# Altium PCB STM32F407Z_pcb.PcbDoc (part 2 of 2)
Units mil, origin at the board's own origin, x right, y up, seen from the top; angles counter-clockwise.
Board outline 1975.03 x 1974.98 mil, 4 copper layers (TOP, ART02, ART03, BOT), stack 23.756 mil thick; 43 components, 90 nets, 1274 pads, 259 vias.
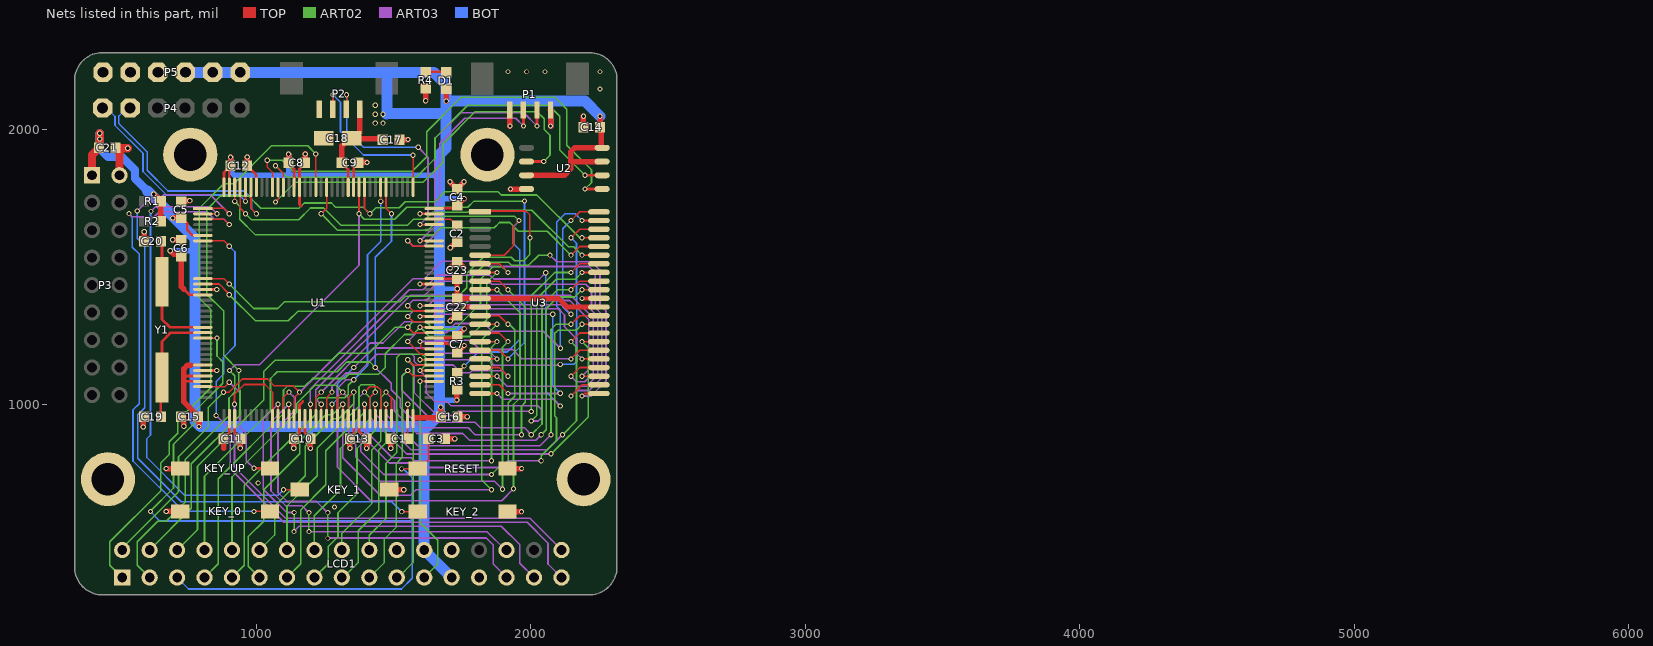
[diagram p4: the nets of this part, all layers, seen from the top]

## Via types
v1: diameter 19, hole 12, TOP to BOT, tented both sides, 235 vias
v2: diameter 18, hole 12, TOP to BOT, tented both sides, 23 vias
v3: diameter 19.02, hole 12, TOP to BOT, tented both sides, 1 vias

## Nets (pads, with @x,y where several pads share a name; then routed paths per layer and width w, separated by ;. In a path a pad name is that pad's centre, name@x,y a point inside that pad or via, vN(x,y) a via of type N, cw(c..) or ccw(c..) an arc to the next point about the centre after c; other vN are vias at no path point) (continued)
FSMC_A4: U1.14 U3.1 | length 1691.3
  TOP w6: U1.14@805.74,1458.58 882.51,1458.58 v1(902.2,1438.9) ; U3.1@1815.31,1701.65 1818.65,1705 1982,1705 1997,1690 v1(1997,1607.17)
  ART02 w6: v1(902.2,1438.9) 991.09,1350 1079,1350 1104,1375 1525.23,1375 1545.23,1395 1737,1395 1767,1425 1767,1476.93 1827.03,1536.97 1929,1536.97 1941.97,1524 1974,1524 1997,1547 v1(1997,1607.17)
FSMC_A5: U1.15 U3.23 | length 2264.7
  TOP w6: U1.15@805.74,1438.9 865.28,1438.9 902.2,1401.98 v1(902.2,1400) ; v1(2186.69,1031.24) 2195.69,1040.24 U3.23@2248.38,1040.24
  ART03 w6: v1(2070,1544.17) 2094.17,1520 2222,1520 2252.4,1489.6 2252.4,1362.6 2274,1341 2274,1086 2219.24,1031.24 v1(2186.69,1031.24)
  ART02 w6: v1(902.2,1400) 997.2,1305 1117,1305 1152.29,1340.29 1735.29,1340.29 1787,1392 1787,1464.9 1840.1,1518 1919.14,1518 1930.14,1507 1992,1507 2029.17,1544.17 v1(2070,1544.17)
FSMC_A6: LCD1.2 U1.50 U3.24 | length 3091.2
  TOP w6: v1(881,1045) 901,1045 949,1093 1041,1093 1065,1069 1134.3,1069 v1(1158.1,1045.2) 1138.42,1025.51 U1.50@1138.42,948.74 ; v1(2146.69,1031.24) 2147.5,1031.24 2188,1071.73 U3.24@2248.38,1071.73
  ART03 w6: v1(1158.1,1045.2) 1571.67,1458.77 1612.77,1458.77 1676,1522 1831,1522 1850,1503 2212,1503 2235.5,1479.5 2235.5,1352.5 2258,1330 2258,1096 2213.24,1051.24 2166.69,1051.24 v1(2146.69,1031.24)
  ART02 w6: LCD1.2@512,470 512,477.58 717,682.58 717,810 825,918 825,989 v1(881,1045)
FSMC_A7: U1.53 U3.22 | length 1971.8
  TOP w6: U1.53@1197.47,948.74 v1@1197.47,1000 ; v1@1197.47,1007.19 v1@1197.47,1007.5 ; U3.22@1815.31,1040.24 v1(1877,1040.24)
  ART03 w6: v1@1197.47,1000 1197.47,1057.47 1558,1418 1607.84,1418 1661.84,1472 1851,1472 1866,1457 2032,1457 v1(2055,1480) ; v1(1877,1040.24) 1898.24,1019 2083.59,1019 v1(2107.59,995)
  BOT w6: v1(2055,1480) 2055,1047.59 v1(2107.59,995)
  other v1: 1197.47,1001
FSMC_A8: U1.54 U3.21 | length 1670.1
  TOP w6: U1.54@1217.16,948.74 1217.16,1025.51 v1(1236.84,1045.2) ; U3.21@1815.31,1071.73 1885.5,1071.73 v1(1917,1040.24)
  ART03 w6: v1(1236.84,1045.2) 1415.82,1224.18 1462.18,1224.18 1538.92,1300.92 1647.92,1300.92 1676,1329 2074,1329 v1@2079.13,1323.87 ; v1(1917,1040.24) v1@2105.35,1040.24
  BOT w6: v1@2080,1330 v1(2080,1329) 2080,1068.59 v1(2107.59,1041)
FSMC_A9: U1.55 U3.20 | length 2073.7
  TOP w6: U1.55@1236.84,948.74 v1@1236.84,1000 ; v1@1236.84,1007.19 v1@1236.84,1007.5 ; U3.20@1815.31,1103.23 v1(1877,1103.23)
  ART03 w6: v1@1236.84,1000 1217.34,1019.5 1217.34,1053.54 1560.8,1397 1613,1397 1665,1449 1846.69,1449 1857.5,1438.19 2200.81,1438.19 2221,1418 2221,1343 2244,1320 2244,1108 2203,1067 1913.23,1067 v1(1877,1103.23)
  other v1: 1236.84,1001
FSMC_A10: U1.56 U3.19 | length 978.3
  TOP w6: U1.56@1256.53,948.74 1256.53,1025.51 v1(1276.21,1045.2) ; U3.19@1815.31,1134.72 1885.5,1134.72 v1(1917,1103.23)
  ART03 w6: v1(1276.21,1045.2) 1276.21,1064.77 1326.14,1114.7 1370.7,1114.7 1438.81,1182.81 1568.19,1182.81 1576,1175 1576,1156.73 1588.92,1143.81 1717.19,1143.81 1745,1116 1779,1116 1786.23,1123.23 1897,1123.23 v1(1917,1103.23)
FSMC_A11: U1.57 U3.18 | length 848.6
  TOP w6: U1.57@1276.21,948.74 v1@1276.21,1000 ; v1@1276.21,1007.19 v1@1276.21,1007.5 ; U3.18@1815.31,1166.22 v1(1877,1166.22)
  ART03 w6: v1(1355,1134.7) 1426.3,1206 1642,1206 1661.78,1186.22 1857,1186.22 v1(1877,1166.22)
  BOT w6: v1@1276.21,1000 1296.08,1019.87 1296.08,1075.78 v1(1355,1134.7)
  other v1: 1276.21,1001
FSMC_A12: U1.87 U3.44 | length 1215.7
  TOP w6: v1(1551.8,1320.79) 1571.49,1301.1 U1.87@1648.26,1301.1 ; v1(2146.69,1670.16) 2178.18,1701.65 U3.44@2248.38,1701.65
  ART03 w6: v1(1551.8,1320.79) 1571.3,1340.29 1641.49,1340.29 1664.2,1363 2112.69,1363 v1(2146.69,1329)
  BOT w6: v1(2146.69,1670.16) 2117,1640.47 2117,1355 v1@2147,1325
FSMC_A13: U1.88 U3.27 | length 846.3
  TOP w6: v1(1597,1320.79) U1.88@1648.26,1320.79 ; v1(2186.69,1166.22) U3.27@2248.38,1166.22
  ART03 w6: v1(1597,1320.79) 1600.08,1323.87 1644.87,1323.87 1670,1349 2100,1349 2123,1326 2123,1283.81 2166.69,1240.13 2166.69,1186.22 v1(2186.69,1166.22)
FSMC_A14: U1.89 U3.26 | length 1248.3
  TOP w6: v1(1551.8,1360.16) 1571.49,1340.47 U1.89@1648.26,1340.47 ; v1(2146.69,1103.23) 2178.18,1134.72 U3.26@2248.38,1134.72
  ART03 w6: v1(1551.8,1360.16) 1551.8,1360.5 1571.3,1380 1621,1380 1638,1397 2146,1397 2228,1315 2228,1114 2197.23,1083.23 2166.69,1083.23 v1(2146.69,1103.23)
FSMC_A15: U1.90 U3.25 | length 980.5
  TOP w6: v1@1596.69,1360.16 v1(1597,1360.16) U1.90@1648.26,1360.16 ; v1(2186.69,1103.23) U3.25@2248.38,1103.23
  ART03 w6: v1(1597,1360.16) 1626.16,1360.16 1645,1379 2142,1379 2211,1310 2211,1127.54 v1(2186.69,1103.23)
FSMC_A16: U1.80 U3.42 | length 1208.7
  TOP w6: v1@1596.69,1163.31 v1(1597,1163.31) U1.80@1648.26,1163.31 ; v1(2146.69,1607.17) 2178.18,1638.66 U3.42@2248.38,1638.66
  ART03 w6: v1(1597,1163.31) 1845.69,1163.31 1865.5,1143.5 2104.87,1143.5 v1(2107.59,1146.22)
  BOT w6: v1(2107.59,1146.22) 2156.22,1146.22 2166.69,1156.68 2166.69,1313.68 2167,1314 2167,1378.09 2166.69,1378.41 2166.69,1587.17 v1(2146.69,1607.17)
FSMC_A17: U1.81 U3.43 | length 1378
  TOP w6: v1(1551.8,1229.71) 1598.52,1182.99 U1.81@1648.26,1182.99 ; v1(2186.69,1670.16) U3.43@2248.38,1670.16
  ART03 w6: v1(1551.8,1229.71) 1584.09,1262 1588.84,1262 1588.92,1261.92 1691.81,1261.92 1725.02,1295.13 1830.5,1295.13 1858.63,1267 2046,1267 v1(2108,1205)
  BOT w6: v1(2108,1205) 2108,1344.2 2095,1357.2 2095,1665 2125,1695 2161.84,1695 v1(2186.69,1670.16)
FSMC_A18: U1.82 U3.28 | length 768.8
  TOP w6: v1(1597,1229.71) 1599.49,1227.23 1599.49,1208.51 1605.32,1202.68 U1.82@1648.26,1202.68 ; v1(2146.69,1166.22) 2178.18,1197.72 U3.28@2248.38,1197.72
  ART03 w6: v1(1597,1229.71) 1738.71,1229.71 1743.5,1234.5 1779.5,1234.5 1813.78,1200.22 1934.35,1200.22 1967.26,1167.32 2146.69,1167.32 v1(2146.69,1166.22)
FSMC_D0: LCD1.6 U1.85 U3.7 | length 2132.8
  TOP w6: v1(1551.8,1281.42) 1571.49,1261.73 U1.85@1648.26,1261.73 ; U3.7@1815.31,1512.68 1885.5,1512.68 v1(1917,1481.18)
  ART02 w6: LCD1.6@712,470 786,544 786,775.69 1027,1016.69 1027,1120 1068.29,1161.29 1275.29,1161.29 1301,1187 1411,1187 1505.42,1281.42 v1(1551.8,1281.42) 1571.39,1301 1619,1301 1645,1275 1724,1275 1817,1368 1817,1456.39 1862.61,1502 1896.18,1502 v1@1915.18,1483 ; v1(1917,1481.18) v1@1915.18,1483 ; v1@1918,1483 v1@1915.18,1483
FSMC_D1: LCD1.7 U1.86 U3.8 | length 2006.5
  TOP w6: v1@1596.69,1281.42 v1(1597,1281.42) U1.86@1648.26,1281.42 ; U3.8@1815.31,1481.18 v1(1877,1481.18)
  ART02 w6: LCD1.7@812,370 862,420 862,730 1099.23,967.23 1099.23,1052.77 1113.7,1067.24 1177,1067.24 1204.76,1095 1322,1095 1336.89,1109.89 1445.14,1109.89 1470,1134.75 1470,1185 1540,1255 1570.58,1255 v1(1597,1281.42) 1630.42,1248 1779,1248 1840,1309 1840,1444.18 v1(1877,1481.18)
FSMC_D2: LCD1.8 U1.114 U3.9 | length 3174.3
  TOP w6: U1.114@1473.06,1791.26 1473.06,1714.49 v1(1492.75,1694.8) ; U3.9@1815.31,1449.68 1885.5,1449.68 v1(1917,1418.19)
  ART03 w6: v1(1433.69,1135.2) 1491.65,1077.24 1491.65,1054.35 1525,1021 1525,990.69 1600.69,915 1772,915 1797,890 v1(1966.21,890)
  ART02 w6: LCD1.8@812,470 812,738.56 1052,978.56 1052,1095 1076.49,1119.49 1294.8,1119.49 1330,1154.7 1414.19,1154.7 1432.34,1136.55 v1(1433.69,1135.2) ; v1(1917,1418.19) 1980,1355.19 1980,1008 1966.21,994.21 v1(1966.21,890)
  BOT w6: v1@1427,1135.2 v1(1433.69,1135.2) 1433.69,1535.94 1492.75,1595 v1(1492.75,1694.8)
FSMC_D3: LCD1.9 U1.115 U3.10 | length 3601.5
  TOP w6: v1@1453.38,1739.68 v1(1453.38,1740) U1.115@1453.38,1791.26 ; U3.10@1815.31,1418.19 v1(1877,1418.19)
  ART03 w6: v1(1354.95,1090.39) 1327.39,1090.39 1295.9,1058.9 1295.9,771.1 1417,650 1894.03,650 v1(1937,692.97)
  ART02 w6: LCD1.9@912,370 957,415 957,705 1216.97,964.97 1216.97,1012.97 1229,1025 1322.96,1025 1335.27,1037.3 1335.27,1070.71 v1(1354.95,1090.39) ; v1(1877,1418.19) 1961,1334.19 1961,1024 1937,1000 v1(1937,692.97)
  BOT w6: v1(1354.95,1090.39) 1405.41,1140.85 1405.41,1545.65 1453.38,1593.62 v1(1453.38,1740)
FSMC_D4: LCD1.10 U1.58 U3.13 | length 2527.5
  TOP w6: U1.58@1295.9,948.74 1295.9,1025.51 v1(1315.58,1045.2) ; U3.13@1815.31,1323.7 1885.5,1323.7 v1(1917,1292.2)
  ART03 w6: v1(1315.58,1045.2) 1337,1023.78 1337,880 1362,855 1362,810 1452,720 1868.49,720 v1(1897,691.49)
  ART02 w6: LCD1.10@912,470 912,736.3 1146.7,971 1146.7,1002.78 1213.92,1070 1290.78,1070 v1(1315.58,1045.2) ; v1(1897,691.49) 1897,741.97 1918,762.97 1918,1006.51 1942,1030.51 1942,1272.2 1922,1292.2 v1(1917,1292.2)
FSMC_D5: LCD1.11 U1.59 U3.14 | length 2361.3
  TOP w6: U1.59@1315.58,948.74 v1@1315.58,1000 ; v1@1315.58,1007.19 v1@1315.58,1007.5 ; U3.14@1815.31,1292.2 v1(1877,1292.2)
  ART03 w6: v1@1315.58,1000 1315.58,806.42 1452,670 1562,670 1582.01,690.01 v1(1857,690.01)
  ART02 w6: LCD1.11@1017,370 LCD1.11@1012,370 971.47,410.53 971.47,519.47 1027,575 1027,689.5 1158.1,820.6 1158.1,867.17 1253.49,962.55 1278.14,962.55 v1@1315.58,1000 ; v1(1857,690.01) 1822,725.01 1822,1237.2 v1(1877,1292.2)
  other v1: 1315.58,1001
FSMC_D6: LCD1.12 U1.60 U3.15 | length 2196.7
  TOP w6: U1.60@1335.27,948.74 1335.27,1025.51 v1(1354.95,1045.2) ; U3.15@1815.31,1260.71 1885.5,1260.71 v1(1917,1229.21)
  ART03 w6: v1(1354.95,1045.2) 1355.37,1044.78 1355.37,894.63 1381,869 1381,828.66 1464.66,745 v1(1857,745)
  ART02 w6: LCD1.12@1012,470 1067,525 1067,629.67 1178.13,740.8 1178.13,848.39 1278.29,948.55 1300.58,948.55 1354.95,1002.93 v1(1354.95,1045.2) ; v1(1857,745) 1897,785 1897,1209.21 v1(1917,1229.21)
FSMC_D7: LCD1.13 U1.63 U3.16 | length 1904.4
  TOP w6: U1.63@1394.32,948.74 v1@1394.32,1000 ; v1@1394.32,1007.19 v1@1394.32,1007.5 ; U3.16@1815.31,1229.21 v1(1877,1229.21)
  ART03 w6: v1@1394.32,1000 1394.32,907.68 1496,806 1564.93,806 1575.93,795 v1(1857,795)
  ART02 w6: LCD1.13@1112,370 1162,420 1162,616 1253.49,707.49 1253.49,831.49 1394.32,972.32 v1@1394.32,1000 ; v1(1857,795) 1857,1209.21 v1(1877,1229.21)
  other v1: 1394.32,1001
FSMC_D8: LCD1.14 U1.64 U3.29 | length 2244.3
  TOP w6: U1.64@1414.01,948.74 1414.01,1025.51 v1(1433.69,1045.2) ; v1(2186.69,1229.21) U3.29@2248.38,1229.21
  ART03 w6: v1(1433.69,1045.2) 1414.19,1025.7 1414.19,953.81 1548,820 2072.97,820 v1(2073.57,820.6)
  ART02 w6: LCD1.14@1112,470 1112,630.8 1222,740.8 1222,841.42 1374.45,993.87 1374.45,1064.22 1382,1071.77 1428.81,1071.77 1433.69,1066.89 v1(1433.69,1045.2) ; v1(2073.57,820.6) 2074.57,820.6 2208.9,954.93 2208.9,1207 v1(2186.69,1229.21)
FSMC_D9: LCD1.15 U1.65 U3.30 | length 2050.2
  TOP w6: U1.65@1433.69,948.74 v1@1433.69,1000 ; v1@1433.69,1007.19 v1@1433.69,1007.5 ; v1(2146.69,1229.21) 2178.18,1260.71 U3.30@2248.38,1260.71
  ART03 w6: v1@1433.69,1000 1433.69,965.31 1564,835 2059.69,835 2115,890.32 v1(2116,890.32)
  ART02 w6: LCD1.15@1212,370 1262,420 1262,483 1297.75,518.75 1297.75,605.75 1367,675 1367,840 1433.69,906.69 v1@1433.69,1000 ; v1(2116,890.32) 2166.69,941 2166.69,1209.21 v1(2146.69,1229.21)
  other v1: 1433.69,1001
FSMC_D10: LCD1.16 U1.66 U3.31 | length 2389.8
  TOP w6: v1(1394.32,1045.2) 1414.13,1065 1441.47,1065 1453.38,1053.09 U1.66@1453.38,948.74 ; v1(2186.69,1292.2) U3.31@2248.38,1292.2
  ART03 w6: v1(1394.32,1045.2) 1374.64,1025.51 1374.64,897.36 1484.78,787.22 1558.72,787.22 1575.36,770.57 1892.57,770.57 1917,795 v1(2037.79,795)
  ART02 w6: LCD1.16@1212,470 1212,595 1307,690 1307,840 1414.01,947.01 1414.01,1025.51 v1(1394.32,1045.2) ; v1(2037.79,795) 2037.79,813.1 2065.29,840.6 2065.6,840.6 2093.57,868.57 2093.57,952 2087.59,957.99 2087.59,1259.27 2099.31,1271 2165.48,1271 v1(2186.69,1292.2)
FSMC_D11: LCD1.17 U1.67 U3.32 | length 2032.5
  TOP w6: U1.67@1473.06,948.74 v1@1473.06,1000 ; v1@1473.06,1007.19 v1@1473.06,1007.5 ; v1(2146.69,1292.2) 2178.18,1323.7 U3.32@2248.38,1323.7
  ART03 w6: v1@1473.06,1000 1473.06,964.94 1588,850 2033.57,850 v1(2073.57,890) ; v1@2075.29,888.29 v1@2077,890
  ART02 w6: LCD1.17@1312,370 1317,370 1371.47,424.47 1371.47,540 1447,615.53 1447,835 1473.06,861.06 v1@1473.06,1000 ; v1(2073.57,890) 2073.57,1273.57 2092.2,1292.2 v1(2146.69,1292.2)
  other v1: 1473.06,1001
FSMC_D12: LCD1.18 U1.68 U3.35 | length 2102.3
  TOP w6: v1(1473.06,1045.2) 1492.75,1025.51 U1.68@1492.75,948.74 ; v1(2186.69,1418.19) U3.35@2248.38,1418.19
  ART03 w6: v1(1473.06,1045.2) 1504,1014.26 1504,976 1585.37,894.63 1752.37,894.63 1777,870 2017.79,870 v1(2037.79,890)
  ART02 w6: LCD1.18@1312,470 1312,530 1421.5,639.5 1421.5,835 1453.38,866.88 1453.38,1025.51 v1(1473.06,1045.2) ; v1(2037.79,890) 2056,908.21 2056,1349.41 2098.21,1391.63 2160.12,1391.63 v1(2186.69,1418.19)
FSMC_D13: LCD1.19 U1.77 U3.36 | length 2268.4
  TOP w6: v1(1551.8,1123.94) 1571.49,1104.25 U1.77@1648.26,1104.25 ; v1(2146.69,1418.19) 2178.18,1449.68 U3.36@2248.38,1449.68
  ART03 w6: v1(1551.8,1123.94) 1530,1102.13 1530,1052 1647,935 1797,935 1817,915 1977,915 v1(2002,890)
  ART02 w6: LCD1.19@1412,370 1467,425 1467,510 1510.73,553.73 1510.73,786.73 1532.3,808.3 1532.3,1104.44 v1(1551.8,1123.94) ; v1(2002,890) 2041,929 2041,1362 2097.19,1418.19 v1(2146.69,1418.19)
FSMC_D14: LCD1.20 U1.78 U3.37 | length 2290
  TOP w6: v1(1597,1123.94) U1.78@1648.26,1123.94 ; v1(2186.69,1481.18) U3.37@2248.38,1481.18
  ART03 w6: v1(1597,1123.94) 1597,1121.36 1620,1098.36 1620,1041 1650.95,1010.05 1694.95,1010.05 1709.5,995.5 2025.07,995.5 2038,982.57 2038,950.43 2027.57,940 v1(2002,940)
  ART02 w6: LCD1.20@1412,470 1412,523.94 1473.06,585 1473.06,786.06 1512,825 1512,1171 1523.81,1182.81 1605.08,1182.81 1616.5,1171.38 1616.5,1143.44 v1(1597,1123.94) ; v1(2002,940) 2022,960 2022,1385 2093.39,1456.39 2161.9,1456.39 v1(2186.69,1481.18)
FSMC_D15: LCD1.21 U1.79 U3.38 | length 2246.4
  TOP w6: v1(1551.8,1163.31) 1571.49,1143.62 U1.79@1648.26,1143.62 ; v1(2146.69,1481.18) 2178.18,1512.68 U3.38@2248.38,1512.68
  ART03 w6: v1(1551.8,1163.31) 1551.8,1161.13 1575,1137.93 1575,1044 1659,960 1720,960 1735,975 v1(2002,975)
  ART02 w6: LCD1.21@1512,370 1517,370 1571.47,424.47 1571.47,1121.62 1571.61,1121.75 1571.61,1143.5 v1(1551.8,1163.31) ; v1(2002,975) 2002,1396 2087.18,1481.18 v1(2146.69,1481.18)
FSMC_NBL0: U1.141 U3.39 | length 1535.3
  TOP w6: U1.141@941.57,1791.26 941.57,1714.49 v1(961.25,1694.8) ; v1(2186.69,1544.17) U3.39@2248.38,1544.17
  ART02 w6: v1(961.25,1694.8) 983.06,1673 1155,1673 1198,1716 1246,1716 1309,1653 1551,1653 1572.93,1674.93 1616.93,1674.93 1642,1700 1771.8,1700 1779.8,1708 2004,1708 2137.57,1574.43 2156.43,1574.43 v1(2186.69,1544.17)
FSMC_NBL1: U1.142 U3.40 | length 1536.1
  TOP w6: v1@921.88,1739.68 v1(921.88,1740) U1.142@921.88,1791.26 ; v1(2146.69,1544.17) 2178.18,1575.67 U3.40@2248.38,1575.67
  ART02 w6: v1(921.88,1740) 940,1721.88 940,1675 996,1619 1647.63,1619 1672.63,1644 1867,1644 1886,1663 1923,1663 1955,1631 2059.86,1631 v1(2146.69,1544.17)
FSMC_NE3: R3.2 U1.125 U3.6 | length 1904.5
  TOP w6: v1(1236.53,1694.8) 1256.53,1714.8 U1.125@1256.53,1791.26 ; R3.2@1732.98,1115 v1@1757.31,1139.33 ; 1877,1544.17 U3.6@1815.31,1544.17 1903,1544.17 1937,1578.17 1937,1650.16 v1(1957,1670.16)
  TOP w10: v1@1757.31,1139.33 v1(1757.31,1140.31)
  ART02 w6: v1(1236.53,1694.8) 1296.33,1635 1626,1635 1677,1686 1941.16,1686 v1(1957,1670.16)
  BOT w6: v1(1757.31,1140.31) 1808.5,1191.5 1914.5,1191.5 1960,1237 1960,1563 1937,1586 1937,1647.29 1957,1667.29 v1(1957,1670.16)
FSMC_NE4: LCD1.1 U1.127 | length 2185.2
  TOP w6: U1.127@1217.16,1791.26 v1(1217.16,1912.58)
  ART02 w6: LCD1.1@512,370 467,415 467,500 652,685 652,787.08 683,818.08 683,865 713.92,895.92 713.92,940.92 834,1061 834,1346 792,1388 792,1714 882,1804 917.97,1804 1056.03,1942.07 1187.67,1942.07 v1(1217.16,1912.58)
FSMC_NOE: LCD1.4 U1.118 U3.41 | length 3125.1
  TOP w6: U1.118@1394.32,1791.26 1394.32,1714.49 v1(1414.01,1694.8) ; v1(2186.69,1607.17) U3.41@2248.38,1607.17
  ART02 w6: LCD1.4@612,470 764,622 764,784.32 940.9,961.22 940.9,1054.07 937,1057.96 v1(937,1123.94) 881.36,1179.57 881.36,1340.64 820,1402 820,1710 869.5,1759.5 972.12,1759.5 1016.62,1715 1156,1715 1175,1734 1274.32,1734 1290.32,1718 1390.81,1718 v1(1414.01,1694.8) 1436.2,1717 1521.23,1717 1543.23,1739 1651,1739 1687,1775 1881,1775 1893,1763 2022.35,1763 2178.18,1607.17 v1(2186.69,1607.17)
FSMC_NWE: LCD1.3 U1.119 U3.17 | length 3211.6
  TOP w6: v1(1374.64,1694.8) U1.119@1374.64,1791.26 ; U3.17@1815.31,1197.72 1885.5,1197.72 v1(1917,1166.22)
  ART03 w6: v1(902.7,1123.94) 923.76,1145 1012,1145 1374.64,1507.64 v1(1374.64,1694.8)
  ART02 w6: LCD1.3@612,370 567,415 567,500 642,575 672,575 742,645 742,800 900.9,958.9 900.9,1024 921.88,1044.98 921.88,1104.75 v1(902.7,1123.94) ; v1(1374.64,1694.8) 1394.14,1675.3 1504.3,1675.3 1548,1719 1771,1719 1793,1741 v1(1977,1741)
  BOT w6: v1(1917,1166.22) 1977,1226.22 v1(1977,1741)
GND: C1.1 C2.1 C3.1 C4.1 C5.1 C6.1 C7.1 C8.1 C9.1 C10.1 C11.1 C12.1 C13.1 C14.1 C15.1 C16.1 C17.1 C18.2 C19.1 C20.1 C21.1 C22.1 C23.1 KEY_0.1 KEY_1.1 KEY_2.1 KEY_UP.1 LCD1.22 LCD1.26 LCD1.27 P1.1 P2.1 P3.2 P5.4 P5.5 P5.6 pad.0 R4.1 RESET.1 U1.16 U1.31 U1.38 U1.51 U1.61 U1.83 U1.94 U1.107 U1.120 U1.130 U1.138 U2.4 U3.12 U3.34 | length 2464.7
  TOP w10: U1.31@805.74,1123.94 805.84,1123.84 856.07,1123.84 v1(856.17,1123.74) ; U1.16@805.74,1419.21 805.94,1419.02 v1(856.17,1419.02) ; 902.02,896.32 U1.38@902.02,948.57 ; C12.1@967.31,1870 967.31,1869.02 1000.43,1835.9 1000.43,1791.46 U1.138@1000.62,1791.26 ; 1157.93,896.91 U1.51@1157.93,948.57 ; U1.51@1158.1,948.74 1158.1,999.32 1169.78,1011 ; 1164,1723 1158.1,1728.9 U1.130@1158.1,1791.26 1158.1,1858.7 1178.42,1879.02 C8.1@1178.42,1880 ; C13.1@1354.95,889.57 U1.61@1354.95,948.74 ; U1.120@1354.95,1791.26 1354.95,1861.65 1372.31,1879.02 C9.1@1372.31,1880 ; v1@1596.49,1695 v1(1596.69,1694.8) U1.107@1648.26,1694.8 ; v1(1597,1438.9) U1.94@1648.26,1438.9 ; U1.83@1648.26,1222.36 1648.46,1222.17 1698.53,1222.17 1731.02,1189.69 C7.1@1732,1189.69 ; C22.1@1732,1324.69 1732.98,1324.69 C22.1@1737.31,1324.69
  TOP w12: C19.1@592,955 C19.1@592,955.98 ; C20.1@592,1594.02 C20.1@592,1595 ; C6.1@727,1600 C6.1@727.98,1600 ; C5.1@727,1740.31 C5.1@727.98,1740.31 ; C15.1@736.69,955 C15.1@736.69,955.98 ; C11.1@881.69,875 881.69,875.98 902.02,896.32 ; C10.1@1137,875 1137,875.98 1157.93,896.91 ; C13.1@1341.37,875 1341.37,875.98 C13.1@1354.95,889.57
  TOP w15: C22.1@1732.98,1324.69 1763.5,1355.2 U3.12@1815.31,1355.2 ; v1(2186.69,1386.69) U3.34@2248.38,1386.69
  TOP w20: v1(588.6,918.35) 588.6,951.6 C19.1@592,955 ; C20.1@592,1595 v1(592,1629.37) ; v1(672,766.93) KEY_UP.1@722.83,766.93 ; v1(672.79,610.79) KEY_0.1@723.61,610.79 ; v1(695.9,1600) C6.1@727,1600 ; C5.1@727.01,1742.67 v1(758.11,1742.67) ; v1(736.69,920.63) C15.1@736.69,955 ; 881.69,840.63 C11.1@881.69,875 ; C12.1@967.41,1870.59 v1(967.41,1901.59) ; v1(1137,840.63) C10.1@1137,875 ; C8.1@1178.52,1881.57 v1(1178.52,1912.58) ; v1(1341.37,840.63) C13.1@1341.37,875 ; C9.1@1372.41,1881.57 v1(1403.42,1881.57) ; KEY_1.1@1484.91,690 v1(1537.43,689.99) ; v1(1490.19,840.63) C1.1@1490.19,875 ; C17.1@1521.68,1965 v1(1552.69,1965) ; v1(1617.04,2106.5) R4.1@1617.04,2151.11 ; C3.1@1688.49,875 v1(1722.86,875) ; v1(1706.12,1811.19) 1731.44,1785.88 v1(1756.75,1811.19) ; v1(1706.69,1304.37) C22.1@1727,1324.69 ; v1@1707,1498.33 C23.1@1727.32,1518.65 ; v1@1707,1571.04 C2.1@1727.32,1591.35 ; C7.1@1732,1189.69 v1(1757.31,1215) ; C16.1@1734.17,955 v1(1768.54,955) ; C23.1@1736.68,1518.65 v1@1757,1498.33 ; KEY_2.1@1915.39,610 v1(1966.21,610) ; RESET.1@1915.39,766.93 v1@1966.21,766.93 ; v1(1924.36,2014.41) P1.1@1924.35,2072.76 ; v1(1926.09,1784.83) U2.4@1984.44,1784.84 ; C14.1@2191.77,2010.09 v1(2191.77,2050)
  TOP w30: C21.1@487.31,1933.82 C21.1@487.51,1933.82 ; C21.1@487.31,1935 487.31,1934.02 C21.1@487.51,1933.82 ; P3.2@502,1835 502,1919.33 C21.1@487.51,1933.82 ; v1(532,1933.82) C21.1@487.51,1933.82
  other v1: 1966.71,766.93 1706.69,1498.33 1757.31,1498.33 1706.69,1571.04
  other v2: 1285,627 1007,714 2252,2149 1917,2212 1985,2212 2052,2212 2252,2212
I2C1_SCL: P4.5 U1.139 | length 883.8
  TOP w6: U1.139@980.94,1791.26 980.94,1714.49 v1(1000.62,1694.8)
  BOT w6: P4.5@540.74,2080 529,2080 500,2051 500,2023 603,1920 603,1853 678.5,1777.5 956.5,1777.5 983,1751 983,1712.43 v1(1000.62,1694.8)
I2C1_SDA: P4.6 U1.140 | length 770.9
  TOP w6: v1@961.25,1739.68 v1(961.25,1740) U1.140@961.25,1791.26
  BOT w6: P4.6@440.74,2080 455,2080 486,2049 486,2016.59 587.5,1915.09 587.5,1848.5 673,1763 938.25,1763 v1(961.25,1740)
JTMS_SWCLK: P2.2 U1.109 | length 610.3
  TOP w6: P2.2@1278.57,2075 1280,2076.43 v1(1280,2128) ; U1.109@1571.49,1791.26 v1(1571.49,1908)
  BOT w6: v1(1280,2128) 1307,2101 1307,1993 1391,1909 v1@1566,1909
JTMS_SWDIO: P2.3 U1.105 | length 828.4
  TOP w6: P2.3@1329.21,2076.43 v1(1329.21,2128) ; v1(1596.69,1655.43) U1.105@1648.26,1655.43
  ART03 w6: v1(1590,1937) 1626,1901 1626,1684.75 v1(1596.69,1655.43)
  BOT w6: v1(1329.21,2128) 1329.21,1998.79 1391,1937 v1(1590,1937) v1@1591,1937
KEY0: KEY_0.2 U1.3 | length 2005.8
  TOP w6: U1.3@805.74,1675.12 882.51,1675.12 v1(902.2,1655.43) ; v1@989,609 990.79,610.79 v1(992,610.79) KEY_0.2@1050.39,610.79
  ART03 w6: v2(536.7,1695.3) 548,1684 629.2,1684 647.2,1702 821,1702 848,1675 882.63,1675 v1(902.2,1655.43)
  BOT w6: v2(536.7,1695.3) 549,1683 549,1573 574,1548 574,1003 551.5,980.5 551.5,794.5 735.21,610.79 v1(992,610.79)
KEY1: KEY_1.2 U1.2 | length 1832.2
  TOP w6: U1.2@805.74,1694.8 v1(857,1694.8) v1@857.32,1694.8 ; v1(1099.76,690.01) KEY_1.2@1158.14,690
  ART03 w6: v2(617,1704) 633,1720 831.8,1720 v1(857,1694.8)
  BOT w6: v2@615,1704 615,889 602,876 602,807 739,670 1079.75,670 v1(1099.76,690.01)
KEY2: KEY_2.2 U1.1 | length 2517.2
  TOP w6: U1.1@805.74,1714.49 882.51,1714.49 v1(902.2,1694.8) ; v1(1530.23,610.01) KEY_2.2@1588.61,610 KEY_2.2@1589.61,611
  ART03 w6: v1(567,1705) 603,1741 640.48,1741 663.48,1764 833,1764 v1(902.2,1694.8)
  BOT w6: v1(567,1705) 567,1606 594,1579 594,988 568.5,962.5 568.5,804.5 727,646 1494.24,646 v1(1530.23,610.01)
LCD_BL: LCD1.23 U1.76 | length 812.9
  TOP w6: v1@1596.69,1084.57 v1(1597,1084.57) U1.76@1648.26,1084.57
  ART02 w6: v1(1597,1084.57) 1597,570 1661,506 1661,419 LCD1.23@1612,370
NetC1_2: C1.2 U1.71 | length 125.1
  TOP w6: C1.2@1551.8,875.2 U1.71@1551.8,948.74 v1@1551.8,1000.32
  other v1: 1551.8,1001
NetC2_2: C2.2 U1.106 | length 92.3
  TOP w6: U1.106@1648.26,1675.12 1707.88,1675.12 C2.2@1731.02,1651.98
NetC19_2: C19.2 U1.24 Y1.2 | length 438.7
  TOP w10: C19.2@652.63,955 652.63,1094.26 Y1.2@657,1098.63 657,1230 688.73,1261.73 U1.24@805.74,1261.73
NetC20_2: C20.2 U1.23 Y1.1 | length 447.4
  TOP w10: C20.2@652.63,1595 657,1590.63 Y1.1@657,1447.28 657,1310 685.58,1281.42 U1.23@805.74,1281.42
NetD1_2: D1.K R4.2 | length 75.5
  TOP w10: R4.2@1617.04,2211.74 1690.58,2211.74 D1.K@1692,2210.32
RESET: C3.2 LCD1.5 RESET.2 U1.25 | length 3265.6
  TOP w6: U1.25@805.74,1242.05 v1(857,1242.05) v1@857.32,1242.05 ; v2@1536,766 1587.68,766 RESET.2@1588.61,766.93 ; RESET.2@1596.49,766.93 1627,797.44 C3.2@1627,874.68
  ART02 w6: v2@614.14,611.14 699,696 699,855.37 781,937.37 781,980 878,1077 878,1155.97 857,1176.97 v1(857,1242.05)
  BOT w6: v2(615,610.29) 649.29,576 1567,576 1568,577 ; LCD1.5@712,370 753.58,328.42 1529.42,328.42 1568,367 1568,568 ; v2@1536,766 1568,734 1568,584 ; 1568,568 1568,577 ; 1568,568 1560,576 1568,584 ; 1568,577 1568,584
  other v2: 1529.73,766
SPI1_MISO: U1.134 U2.2 | length 1460.3
  TOP w6: v1(1070,1737.49) 1080,1747.49 1080,1790.62 U1.134@1079.36,1791.26
  TOP w10: U2.2@1984.6,1885 v1(2047,1885)
  ART02 w6: v1(1070,1737.49) 1141.51,1809 1607,1809 1681,1883 1681,1950 1798,2067 2023,2067 2049,2041 2049,2001.86 2070,1980.86 2070,1908 v1(2047,1885)
SPI1_MOSI: U1.135 U2.5 | length 1797.3
  TOP w6: v1(1040,1890) 1040,1865 1059.68,1845.32 U1.135@1059.68,1791.26
  TOP w10: v1(2197.79,1785) U2.5@2260.19,1785
  ART02 w6: v1(1040,1890) 1095,1890 1135,1850 1568,1850 1621,1903 1621,1994 1746,2119 2088,2119 2131.5,2075.5 2131.5,1944.5 2221,1855 2221,1808.21 v1(2197.79,1785)
SPI1_SCK: U1.133 U2.6 | length 1628.6
  TOP w6: v1(1070,1870) 1098.09,1841.91 1098.09,1792.22 U1.133@1099.05,1791.26
  TOP w10: v1(2197.79,1835) U2.6@2260.19,1835
  ART02 w6: v1(1070,1870) 1112,1828 1583,1828 1651,1896 1651,1971 1770,2090 2066,2090 2105.79,2050.21 2105.79,1926.99 v1(2197.79,1835)
T_CS: LCD1.33 U1.7 | length 2389.2
  TOP w6: U1.7@805.74,1596.38 882.51,1596.38 v1(902.2,1576.69)
  ART03 w6: v2(854,960) 905,909 905,766 1100,571 1987,571 2063,495 2063,419 LCD1.33@2112,370
  BOT w6: v2(854,960) 854,1084 881,1111 881,1171.67 923,1213.67 923,1555.89 v1(902.2,1576.69)
T_MISO: LCD1.29 U1.48 | length 1562.5
  TOP w6: U1.48@1099.05,948.74 1099.05,1025.51 v1@1118.73,1045.2
  ART03 w6: v1(1119.23,1045.2) 1141.71,1022.71 1141.71,980.03 1079.36,917.68 1079.36,679.64 1112,647 1220,647 v2(1261,606) ; v2(1261,513) 1262,514 1838,514 1864,488 1864,418 LCD1.29@1912,370
  ART02 w6: v2(1261,513) v2(1261,606)
T_MOSI: LCD1.30 U1.49 | length 1376.5
  TOP w6: U1.49@1118.73,948.74 v1@1118.73,1000
  ART03 w6: v1(1118.73,1001) 1054,936.27 1054,685 1107,632 1166,632 v2(1192,606) ; v2@1197,537 1841,537 1908,470 LCD1.30@1912,470
  ART02 w6: v2(1192,537) v2(1192,606)
T_PEN: LCD1.31 U1.47 | length 1597.2
  TOP w6: U1.47@1079.36,948.74 v1@1079.36,1000.32
  ART03 w6: v1(1079.36,1001) 1026,947.64 1026,692 1111,607 v2(1138.42,607) ; v2@1138,539 1156,557 1893,557 1960,490 1960,422 LCD1.31@2012,370
  ART02 w6: v2@1138,539 1138.21,539.21 1138.21,606.79 v2(1138.42,607)
  other v2: 1138,537
T_SCK: LCD1.34 U1.46 | length 1842.6
  TOP w6: v1(921,1001) 921,1037.37 956.63,1073 1032.05,1073 1059.68,1045.37 U1.46@1059.68,948.74
  ART03 w6: v1@921,1000 921,772 1107,586 1997,586 2112,471 LCD1.34@2112,470
USART1_RX: P1.3 U1.102 | length 936
  TOP w6: v1@1596.69,1596.38 v1(1597,1596.38) U1.102@1648.26,1596.38
  TOP w10: P1.3@2022.62,2072.91 2022.7,2072.83 2022.7,2014.49 v1(2022.79,2014.41)
  ART03 w6: v1(1597,1596.38) 1650.95,1650.33 1650.95,1968.95 1745,2063 1974.2,2063 v1(2022.79,2014.41)
USART1_TX: P1.2 U1.101 | length 982.8
  TOP w6: v1(1551.8,1596.38) 1571.49,1576.69 U1.101@1648.26,1576.69
  TOP w10: P1.2@1973.41,2072.91 1973.49,2072.83 1973.49,2014.49 v1(1973.57,2014.41)
  ART03 w6: v1(1551.8,1596.38) 1571.49,1576.69 1609.07,1576.69 1668,1635.62 1668,1951 1760,2043 1944.98,2043 v1(1973.57,2014.41)
VCC: C4.2 C5.2 C6.2 C7.2 C8.2 C9.2 C10.2 C11.2 C12.2 C13.2 C14.2 C15.2 C16.2 C17.2 C18.1 C21.2 C22.2 C23.2 D1.A LCD1.24 LCD1.25 P1.4 P2.4 P3.1 P5.1 P5.2 P5.3 R1.2 R2.2 R3.1 U1.6 U1.17 U1.30 U1.32 U1.33 U1.39 U1.52 U1.62 U1.72 U1.84 U1.95 U1.108 U1.121 U1.131 U1.143 U1.144 U2.3 U2.7 U2.8 U3.11 U3.33 | length 11538.1
  TOP w10: C5.2@727,1679.68 727.98,1679.68 749.1,1658.57 749.1,1635 767.84,1616.26 805.54,1616.26 U1.6@805.74,1616.06 ; 736.53,1420 756.8,1399.72 805.54,1399.72 U1.17@805.74,1399.53 ; 737,1080 741.57,1084.57 U1.33@805.74,1084.57 ; 737,1098.63 742.62,1104.25 U1.32@805.74,1104.25 ; 762,1143.62 U1.30@805.74,1143.62 ; U1.144@882.51,1791.26 882.51,1844.84 C12.2@902.2,1864.53 ; U1.143@902.2,1791.26 C12.2@902.2,1864.53 ; C12.2@906.68,1870 906.68,1869.02 C12.2@902.2,1864.53 ; U1.39@921.88,948.74 921.88,896.42 942.32,875.98 C11.2@942.32,875 ; C8.2@1117.79,1879.02 1138.42,1858.39 U1.131@1138.42,1791.26 ; U1.52@1177.79,948.74 1177.79,895.83 1197.63,875.98 C10.2@1197.63,875 ; C9.2@1311.68,1880 1311.68,1879.02 1335.27,1855.43 U1.121@1335.27,1791.26 ; U1.62@1374.83,948.54 1374.83,903.15 1402,875.98 C13.2@1402,875 ; U1.84@1648.26,1242.05 1723.73,1242.05 C7.2@1732,1250.32 ; U1.95@1648.26,1458.58 1731.44,1458.58 C23.2@1732,1458.02 ; U1.108@1648.26,1714.49 1721.8,1714.49 C4.2@1732,1724.68
  TOP w12: C8.2@1117.79,1879.02 C8.2@1117.79,1880 ; C16.2@1667.36,960 C16.2@1672.36,955
  TOP w18: C22.2@1732,1385.32 v1(1732,1421.67) C23.2@1732,1458.02 ; C22.2@1733.22,1386.54 U3.11@1815.15,1386.54 ; U3.11@1815.31,1386.69 2100.46,1386.69 2131.96,1355.2 U3.33@2248.38,1355.2
  TOP w20: v1(627,1765.94) 652.63,1740.31 R1.2@652.32,1740 652,1739.68 652,1667.82 R2.2@652.32,1667.5 ; v1(687,1560) 699.32,1547.68 718.69,1547.68 C6.2@727,1539.37 727,1429.53 736.53,1420 ; v1(695.9,1679.78) 726.9,1679.78 C5.2@727,1679.68 ; 762,1143.62 750.62,1143.62 737,1130 737,1098.63 737,1080 737,1009.84 C15.2@791.53,955.32 ; C15.2@786.69,955.32 C15.2@791.53,955.32 ; v1(791.84,920.32) C15.2@791.84,955 ; C12.2@906.68,1870 906.78,1870.1 v1(906.78,1901.1) ; v1(942.32,841.3) C11.2@942.32,875 ; C8.2@1117.89,1881.08 v1(1117.89,1912.09) ; v1(1197.63,840.32) C10.2@1197.63,875 ; C9.2@1311.68,1880 1311.68,1880.98 C9.2@1311.78,1881.08 ; C9.2@1312,1881.3 C9.2@1311.78,1881.08 ; P2.4@1377,2075 1377,1989.57 1357.43,1970 C18.1@1348.57,1970 ; v1(1402,840.32) C13.2@1402,875 ; C17.2@1461.15,1964.9 C17.2@1461.05,1965 1458.55,1967.5 1351.07,1967.5 C18.1@1348.57,1970 ; U1.72@1575.98,951.87 1669.23,951.87 C16.2@1672.36,955 ; C16.2@1672.36,956.18 v1(1672.36,990.55) ; v1(1692,2105.08) D1.A@1692,2149.68 ; v1(1730.94,1016.5) 1730.94,1053.31 R3.1@1732,1054.37 ; C7.2@1732,1250.32 v1(1757.31,1275.63) ; C22.2@1732,1385.32 C22.2@1733.22,1386.54 ; C4.2@1732,1724.68 v1(1757.31,1750) ; U2.3@1984.6,1835 2122,1835 2145.43,1858.43 2145.43,1881.89 ; P1.4@2071.83,2072.91 2071.99,2072.76 v1(2072,2014.41) ; v1(2252.4,2050) 2252.4,2010.09 C14.2@2252.32,2010 2256.25,2006.06 2256.25,1936.69 U2.8@2257.94,1935 ; U2.7@2260.19,1885 2148.54,1885 2145.43,1881.89 ; U2.8@2260.19,1935 U2.8@2257.94,1935 ; C15.2@791.53,955.32 792.16,955.32 C15.2@791.84,955 ; C15.2@791.53,955.32 C15.2@791.84,955 ; C9.2@1311.78,1881.08 1311.78,1942.07 1339.72,1970 C18.1@1348.57,1970 ; 2145.43,1881.89 2145.43,1920.35 2160.07,1935 U2.8@2257.94,1935
  TOP w30: P3.1@402,1835 402.2,1835.2 402.2,1909.53 426.68,1934.02 C21.2@426.68,1935 430,1938.32 v1(430,1967) v1(430,1988)
  BOT w18: 1667,1425 1670.33,1421.67 v1(1732,1421.67)
  BOT w20: v1(687,1560) 777,1560 ; v1(906.78,1901.1) 906.78,1849.11 920.9,1835 1122,1835 ; 940.74,920 942.32,918.43 v1(942.32,841.3) ; v1(1117.89,1912.09) 1117.89,1839.11 1122,1835 ; 1197,920 1197.63,919.37 v1(1197.63,840.32) ; 1394.04,920 1402,912.04 v1(1402,840.32) ; 1662,1835 1122,1835 ; 1667,1015 1668.5,1016.5 v1(1730.94,1016.5) ; 1667,1275 1667.63,1275.63 v1(1757.31,1275.63) ; 1667,1740.31 1676.69,1750 v1(1757.31,1750) ; v1(2072,2014.41) 2072,2105.08
  BOT w30: v1(430,1988) v1(430,1967) 430,1932 460,1902 512,1902 559,1855 559,1823 604.5,1777.5
  BOT w40: 604.5,1777.5 777,1605 777,1560 777,940 797,920 940.74,920 1197,920 1394.04,920 1624,920 1667,963 1667,1015 1667,1275 1667,1425 1667,1740.31 1667,1840 ; P5.3@742,2210 P5.2@842,2210 P5.1@942,2210 1647,2210 1692,2165 v1(1692,2105.08) ; 1474.5,2057.5 1477,2060 ; 1477,2205 1477,2060 ; 1612,915 LCD1.24@1612,470 LCD1.25@1712,370 ; 1662,1835 1667,1840 ; v1(2252.4,2050) 2197.33,2105.08 2072,2105.08 v1(1692,2105.08) ; 1477,2060 1692,2060 ; 1667,1840 1667,1910 1692,1935 1692,2060 ; 1692,2060 v1(1692,2105.08)
  other v1: 1433.69,2025 1462,2025 1433.69,2057.5 1462,2057.5 1433.69,2090
WK_UP: KEY_UP.2 U1.34 | length 511.8
  TOP w6: U1.34@805.74,1064.88 886.51,1064.88 v1@902.2,1080.57
  TOP w10: v1(992,767.72) KEY_UP.2@1050.39,767.72
  ART03 w6: v1(902.2,1081) 940.74,1042.46 940.74,918 964,894.74 964,795.72 v1(992,767.72)
pads on no net: LCD1.28 LCD1.32 P1.0 P2.0 U1.8 U1.9 U1.18 U1.19 U1.20 U1.21 U1.22 U1.26 U1.27 U1.28 U1.29 U1.43 U1.44 U1.45 U1.69 U1.70 U1.73 U1.74 U1.91 U1.92 U1.93 U1.103 U1.104 U1.110 U1.111 U1.113 U1.116 U1.117 U1.126 U1.128 U1.129

## Polygon pours and split planes (outlines as drawn)
GND on TOP "GND_L01_P008" (solid, remove dead copper, pour order 8): 341,2278.5 2310.01,2278.5 2310.5,2279 2311,2278.5 2311,311 345,311
no net on TOP "NONET_L-01_P-001" (solid, remove dead copper, pour order 4): 792.16,1022
VCC on TOP "VCC_L01_P000" (solid, remove dead copper, pour order 0): 1311.68,2016.1 1318.08,2022.5 1344.5,2022.5 1367,2045 1367,2110 1472,2110 1482,2100 1482,1945 1477,1940 1311.68,1940.32
GND on BOT "GND_L04_P010" (solid, remove dead copper, pour order 10): 341,2278.5 2310.01,2278.5 2310.5,2279 2311,2278.5 2311,311 345,311
VCC on BOT "VCC_L04_P002" (solid, remove dead copper, pour order 2): 1422,2010 1422,2110 1432,2120 1527,2120 1537,2110 1537,2020 1527,2010
GND on ART03 "GND_L03_P018" (solid, remove dead copper, pour order 18): 341,2278.5 2310.01,2278.5 2310.5,2279 2311,2278.5 2311,311 345,311
GND on ART02 "GND_L02_P014" (solid, remove dead copper, pour order 14): 341,2278.5 2310.01,2278.5 2310.5,2279 2311,2278.5 2311,311 345,311

## Keep-outs
Keep-Out Layer:
  lines w6: 341.81,401.16 ccw(c439.99,408.18) 447,310 ; 341.81,2187.34 cw(c439.99,2180.33) 447,2278.5 ; 342,400 342,2187.34 ; 342,415 ccw(c440.18,407.99) 433.16,309.81 ; 432,310 2217,310 ; 440.5,2278.5 2218.5,2278.5 ; 2207,2278.5 cw(c2214.01,2180.33) 2310.45,2199.99 ; 2219.34,309.81 ccw(c2212.33,407.99) 2310.5,415 ; 2310.5,403.5 2310.5,2199.99

## Other copper
TOP:
  region net VCC: 1571,971 1591,951 1571,931
  region net ADC1_CH3: 883.43,962.76 869.06,948.38 869.06,947.91 883.06,933.91 883.43,933.91
  region net ADC1_CH2: 792.16,1026 806.53,1011.63 807,1011.63 821,1025.63 821,1026
ART03:
  pour cut-out: 511,1035 735,1035 859,1159 992.5,1159 992.5,1103.5 993,1103 866.76,1103 740.72,976.96 511,976.96

## Silkscreen, mask and mechanical layers (free items; w line width, h text height)
SILK-TOP:
  text "1" at 877.01,1961.82 h40
SILK-BOT:
  lines w15: 424,2266 407,2266 ; 646,1857 578,1857 578,1901 382,1901 382,2152 ; 688,2149 688,2031 863,2031 1365,2031 1365,2152 1065,2152 ; 998,2153 998,2252 ; 1844,2263 1844,2152 382,2152 ; 1844,2266 407,2266 ; 382,2152 382,2241 407,2266
  text "VCC VCC VCC GND GND GND" at 1815,2194 h35
  text "ADC1_CH1~3" at 1330,2061 h35
  text "DAC2" at 645,2014.82 h35 r90
  text "SDA" at 460,2013 h35 r90
  text "SCL" at 556,2011 h35 r90
SOLDER-BOT:
  lines w19.68: 352.19,728.11 460.11,728.11 ; 460.11,620.19 460.11,728.11 ; 460.11,836.03 460.11,728.11 ; 568.03,728.11 460.11,728.11 ; 652,1910.39 759.92,1910.39 ; 759.92,1802.47 759.92,1910.39 ; 759.92,2018.32 759.92,1910.39 ; 867.85,1910.39 759.92,1910.39 ; 1734.42,1910.39 1842.34,1910.39 ; 1842.34,1802.47 1842.34,1910.39 ; 1842.34,2018.32 1842.34,1910.39 ; 1950.27,1910.39 1842.34,1910.39 ; 2084.47,727.92 2192.39,727.92 ; 2192.39,620 2192.39,727.92 ; 2192.39,835.85 2192.39,727.92 ; 2300.32,727.92 2192.39,727.92
  text "Veis" at 2290,523 h140
Mechanical 1:
  drawing of 465 lines, arcs and shapes, not listed
  text "TOP" at 5976.78,1583.51 h39.27
  text "1oz+Plating" at 5442.83,1581.72 h38.75
  text "mm" at 2770.88,1472.67 h38.75
  text "pp(7628)" at 3495.28,1472.67 h39.27
  text "0.195" at 2583,1472 h39.27
  text "0.5oz" at 5475.98,1365.36 h39.27
  text "ART02" at 5976.78,1363.82 h39.27
  text "mm" at 2770.88,1252.98 h38.75
  text "Core" at 3495.28,1252.98 h39.27
  text "1.1" at 2665.95,1250.05 h39.27
  text "0.5oz" at 5475.98,1145.67 h39.27
  text "ART03" at 5976.78,1144.14 h39.27
  text "0.195" at 2583,1035 h39.27
  text "pp(7628)" at 3469.28,1034.67 h39.27
  text "mm" at 2770.88,1033.3 h38.75
  text "BOTTOM" at 5976.78,924.45 h39.27
  text "1oz+Plating" at 5441.83,918.49 h38.75
  text "板厚：1.6 +/- 0.16mm" at 4678.68,669.59 h80
Mechanical 25:
  lines w7.87: 352,983 352,1885.35 548,1885.35 548,983 352,983 ; 391,2030 391,2130 992,2130 992,2030 391,2030 ; 392.26,2160 993.26,2160 993.26,2260 392.26,2260 392.26,2160 ; 455,321 455,533 2164,533 2164,321 455,321 ; 768.89,541.5 1005.11,541.5 1005.11,679.29 768.89,679.29 768.89,541.5 ; 768.89,698.43 768.89,836.22 1005.11,836.22 1005.11,698.43 768.89,698.43 ; 1071,2105.08 1071,2269 1537.43,2269 1537.43,2106.5 1418,2106.5 1418,2031 1188,2031 1188,2105.08 1071,2105.08 ; 1203.42,621.5 1439.64,621.5 1439.64,759.29 1203.42,759.29 1203.42,621.5 ; 1633.89,541.5 1870.11,541.5 1870.11,679.29 1633.89,679.29 1633.89,541.5 ; 1633.89,698.43 1870.11,698.43 1870.11,836.22 1633.89,836.22 1633.89,698.43 ; 1765.92,2102.91 1882.92,2102.91 1882.92,2028.83 2112.92,2028.83 2112.92,2104.33 2232.35,2104.33 2232.35,2266.83 1765.92,2266.83 1765.92,2102.91
  text "P5" at 642,2201 h30
  text "P2" at 1270,2157 h30
  text "P1" at 1980,2157 h30
  text "P4" at 642,2066 h30
  text "P3" at 464,1413 h30 r90
  text "KEY_UP" at 801.69,754.46 h30
  text "RESET" at 1683,744 h30
  text "KRY_1" at 1251,673 h30
  text "KEY_2" at 1680,599 h30
  text "KEY_0" at 815,593 h30
  text "LCD1" at 1283.11,411 h30

## Dimensions
341.81,401.16 to 2310.75,407.99 on Mechanical 1
432,310 to 440.5,2278.5 on Mechanical 1

## Text inside footprints (layer, text, board x,y; h text height)
LCD1: SILK-TOP "34" at 2172,450 h50; SILK-TOP "33" at 2172,350 h50; SILK-TOP "2" at 412,450 h50; SILK-TOP "1" at 412,350 h50
P3: SILK-TOP "17" at 382,955 h50 r270; SILK-TOP "18" at 482,955 h50 r270